# Altium PCB HV_DAC_8ch-DIOT.PCBDOC (part 8 of 11)
Units mm, origin at the board's own origin, x right, y up, seen from the top; angles counter-clockwise.
Board outline 222.63 x 100.1 mm, 8 copper layers (L1, L2, L3, P4, L5, L6, P7, L8), stack 1.563 mm thick; 971 components, 607 nets, 3066 pads, 1424 vias.
Unrouted connection lines stored in the file: 1.
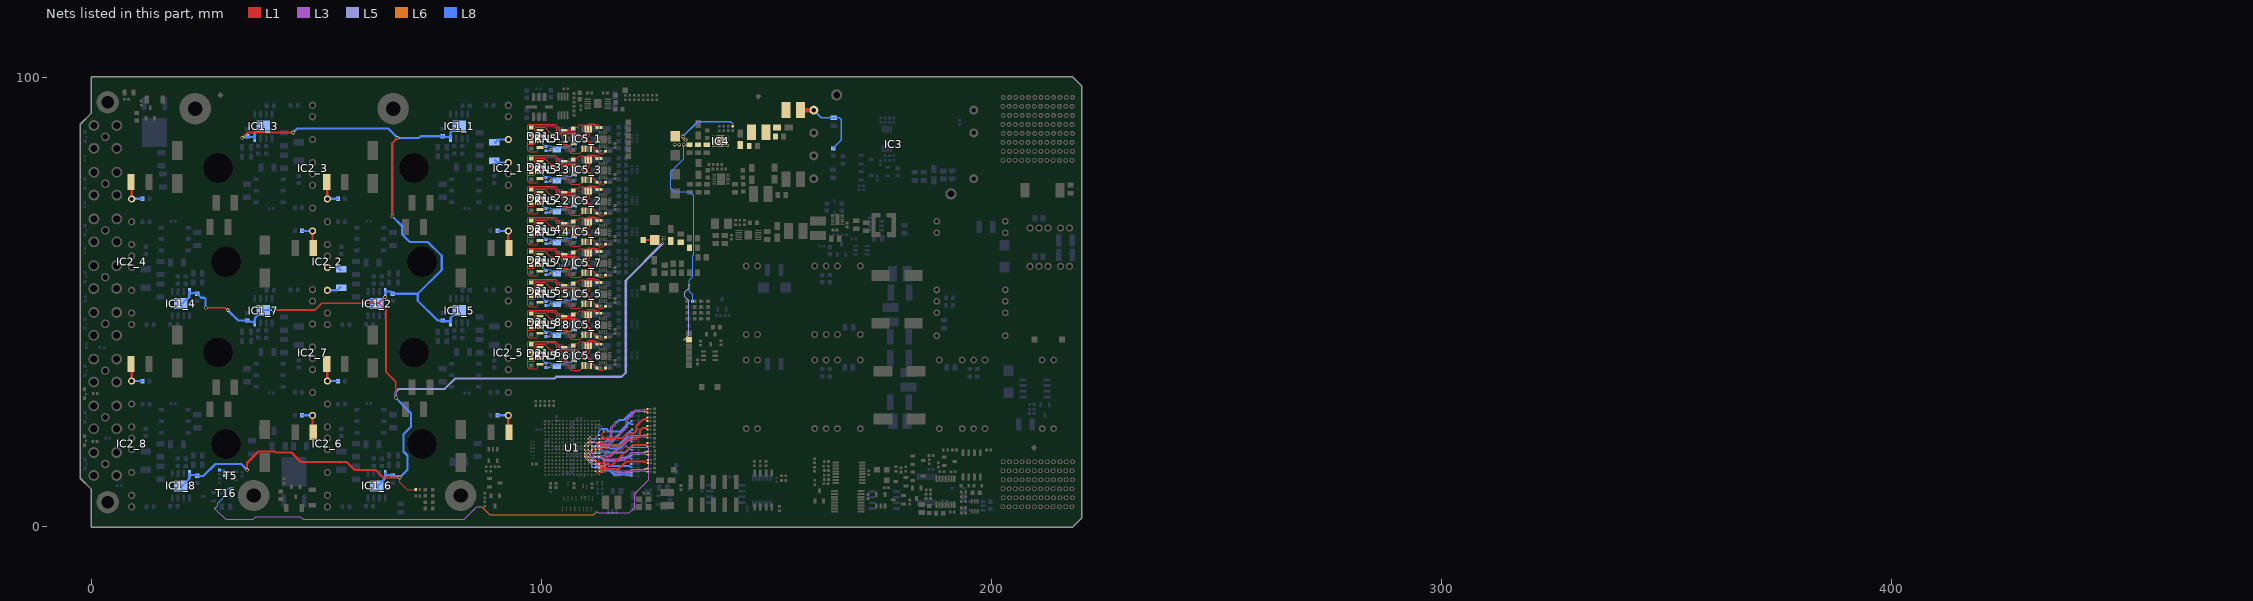
[diagram p14: the nets of this part, all layers, seen from the top]

## Via types
v1: diameter 0.4, hole 0.2, L1 to L8, tented both sides, 1016 vias
v2: diameter 0.8, hole 0.5, L1 to L8, tented both sides, 203 vias
v3: diameter 0.5, hole 0.2, L1 to L8, tented both sides, 117 vias
v4: diameter 0.7, hole 0.4, L1 to L8, tented both sides, 43 vias
v5: diameter 0.4, hole 0.2, L1 to L8, 32 vias
v6: diameter 0.5, hole 0.25, L1 to L8, 6 vias
v7: diameter 0.7, hole 0.4, L1 to L8, 5 vias
v8: diameter 1.2, hole 0.8, L1 to L8, tented both sides, 2 vias

## Nets (pads, with @x,y where several pads share a name; then routed paths per layer and width w, separated by ;. In a path a pad name is that pad's centre, name@x,y a point inside that pad or via, vN(x,y) a via of type N, cw(c..) or ccw(c..) an arc to the next point about the centre after c; other vN are vias at no path point) (continued)
LED_PGOOD: R55.1 T5.3 | length 2.4
  L8 w0.1: R55.1@28.4,12.67 29.33,12.67 29.75,12.25 T5.3@29.75,11.4
LED_RED: T16.1 U1.F1 | length 130.8
  L1 w0.127: U1.F1@112.8,15.6 113.235,15.6 113.452,15.383 114.771,15.383 115.846,16.458 117.164,16.458 v1(118.708,18.002)
  L3 w0.1: v1(27.4,4.1) 29.8,1.7 35.9,1.7 36.5,2.3 46.4,2.3 47,1.7 82.841,1.7 85.641,4.5 v1(86.3,4.5) ; v1(112.2,3.3) 112.214,3.286 112.481,3.286 112.644,3.123 119.523,3.123 120.7,4.3 120.7,7.4 123.8,10.5 123.8,17.5 123.6,17.7 119.01,17.7 v1(118.708,18.002)
  L6 w0.127: v1(86.3,4.5) 86.7,4.5 88.5,2.7 111.6,2.7 v1(112.2,3.3)
  L8 w0.1: v1(27.4,4.1) 28,4.7 28,5.3 29.9,7.2 29.9,8.2 30.15,8.45 T16.1@31.05,8.45
LVDS_0_N: R206.1 U1.J5 | length 15.1
  L1 w0.1: U1.J5@109.604,18.021 109.88,18.297 v1(109.88,18.313)
  L3 w0.1: v1(109.88,18.313) 110.377,18.81 112.536,18.81 112.797,19.071 113.522,19.071 113.742,18.851 113.742,18.743 113.801,18.685 113.884,18.685 115.41,20.211 115.41,22.172 116.243,23.005 116.243,23.143 v1(116.3,23.2)
  L8 w0.1: v1(116.3,23.2) 116.341,23.241 116.554,23.241 117.189,23.877 117.283,23.971 118.283,23.971 119.508,25.196 119.777,25.196 119.835,25.255 119.835,25.291 119.995,25.451 R206.1@120.015,25.451
LVDS_0_P: R207.1 U1.G1 | length 17.4
  L1 w0.1: U1.G1@112.8,16.4 112.805,16.395 113.513,16.395 v1(113.517,16.39)
  L3 w0.1: v1(113.517,16.39) 111.498,16.39 111.217,16.671 111.217,17.721 111.534,18.038 112.607,18.038 112.883,18.314 113.983,18.314 115.742,20.073 115.742,22.035 116.478,22.77 116.615,22.77 v1(116.673,22.827)
  L8 w0.1: v1(116.673,22.827) 116.714,22.869 116.714,23.081 117.283,23.65 117.377,23.744 118.377,23.744 119.602,24.969 119.777,24.969 119.835,24.911 119.835,24.874 119.995,24.714 R207.1@120.015,24.714
LVDS_1_N: R176.1 U1.K4 | length 12.4
  L1 w0.1: U1.K4@110.4,18.821 110.421,18.821 110.752,19.152 v1@110.752,19.173
  L8 w0.1: v1(110.8,19.2) 111.223,19.623 111.767,19.623 112.669,20.525 112.669,21.18 113.389,21.9 114.506,21.9 114.994,21.412 117.491,21.412 119.384,23.305 119.789,23.305 119.848,23.364 119.848,23.411 120.008,23.571 R176.1@120.028,23.571
LVDS_1_P: R178.1 U1.M1 | length 9.6
  L1 w0.1: U1.M1@112.8,20.4 113.145,20.4 v1(113.881,21.136)
  L8 w0.1: v1(113.881,21.136) 113.881,21.216 113.673,21.423 113.673,21.429 113.571,21.531 113.571,21.614 113.63,21.673 114.412,21.673 114.9,21.185 117.585,21.185 119.478,23.078 119.814,23.078 119.873,23.02 119.873,22.995 120.033,22.835 R178.1@120.053,22.835
LVDS_2_N: R180.1 U1.K1 | length 11.1
  L1 w0.1: U1.K1@112.8,18.8 113.179,18.8 113.284,18.694 v1(113.365,18.694)
  L8 w0.1: v1(113.365,18.694) 112.55,18.694 112.491,18.636 112.491,18.553 112.7,18.344 114.011,18.344 114.094,18.427 115.597,18.427 115.73,18.295 117.109,18.295 118.985,20.17 118.985,20.828 119.567,21.41 119.827,21.41 119.886,21.468 119.886,21.481 120.046,21.641 R180.1@120.066,21.641
LVDS_2_P: R182.1 U1.K3 | length 11.4
  L1 w0.1: U1.K3@111.242,18.821 111.242,18.842 111.573,19.173 v1@111.594,19.173
  L8 w0.1: v1(111.6,19.2) 111.911,18.889 112.011,18.889 112.264,18.636 112.264,18.459 112.606,18.117 114.105,18.117 114.188,18.2 115.503,18.2 115.636,18.068 117.203,18.068 119.212,20.076 119.212,20.734 119.661,21.183 119.802,21.183 119.861,21.124 119.861,21.09 120.021,20.93 R182.1@120.041,20.93
LVDS_3_N: R184.1 U1.J4 | length 11.1
  L1 w0.1: U1.J4@110.4,18.021 110.421,18.021 110.752,18.352 v1@110.752,18.373
  L8 w0.1: v1(110.8,18.4) 111.222,17.978 112.425,17.978 112.537,17.865 114.237,17.865 114.314,17.942 114.938,17.942 115.296,17.584 117.38,17.584 119.347,19.551 119.814,19.551 119.873,19.61 119.873,19.678 120.033,19.838 R184.1@120.053,19.838
LVDS_3_P: R186.1 U1.H2 | length 10.3
  L1 w0.1: U1.H2@112,17.2 112.39,17.591 114.332,17.591 v1(114.646,17.277)
  L8 w0.1: v1(114.646,17.277) 114.349,17.574 114.349,17.656 114.408,17.715 114.844,17.715 115.202,17.357 117.474,17.357 119.441,19.324 119.802,19.324 119.861,19.266 119.861,19.185 120.021,19.025 R186.1@120.041,19.025
LVDS_4_N: R216.1 U1.H4 | length 10.6
  L1 w0.1: U1.H4@110.421,17.2 110.421,17.179 110.752,16.848 v1@110.773,16.848
  L8 w0.1: v1(110.8,16.8) 111.15,16.45 113.044,16.45 113.361,16.767 113.454,16.767 113.586,16.9 114.772,16.9 114.909,16.763 118.614,16.763 119.504,17.652 119.814,17.652 119.873,17.711 119.873,17.747 120.033,17.907 R216.1@120.053,17.907
LVDS_4_P: R217.1 U1.G2 | length 9.1
  L1 w0.1: U1.G2@112,16.4 112.39,16.791 114.065,16.791 v1(114.422,16.434)
  L8 w0.1: v1(114.422,16.434) 114.422,16.499 114.595,16.673 114.678,16.673 114.815,16.536 118.708,16.536 119.598,17.425 119.814,17.425 119.873,17.367 119.873,17.33 120.033,17.17 R217.1@120.053,17.17
LVDS_5_N: R190.1 U1.G4 | length 10.8
  L1 w0.1: U1.G4@110.421,16.4 110.421,16.379 110.752,16.048 v1@110.773,16.048
  L8 w0.1: v1(110.8,16) 111.361,15.439 111.444,15.439 111.731,15.726 113.128,15.726 113.458,15.396 113.483,15.396 113.903,14.977 117.307,14.977 117.992,15.662 119.293,15.662 119.309,15.646 119.726,15.646 119.784,15.704 119.784,15.74 119.944,15.9 R190.1@119.964,15.9
LVDS_5_P: R191.1 U1.E3 | length 10.6
  L1 w0.1: U1.E3@111.221,14.8 111.221,14.779 111.552,14.448 v1@111.573,14.448
  L8 w0.1: v1(111.6,14.4) 111.6,15.274 111.825,15.499 113.034,15.499 113.364,15.169 113.389,15.169 113.808,14.75 117.401,14.75 118.086,15.435 119.199,15.435 119.215,15.419 119.726,15.419 119.784,15.36 119.784,15.324 119.944,15.164 R191.1@119.964,15.164
LVDS_6_N: R192.1 U1.F4 | length 10.8
  L1 w0.1: U1.F4@110.421,15.6 110.421,15.579 110.752,15.248 v1@110.773,15.248
  L8 w0.1: v1(110.8,15.2) 111.166,14.834 111.166,14.3 111.475,13.991 112.751,13.991 113.093,13.648 114.087,13.648 114.227,13.788 114.832,13.788 114.866,13.754 119.7,13.754 119.759,13.813 119.759,13.859 119.919,14.019 R192.1@119.939,14.019
LVDS_6_P: R193.1 U1.D2 | length 8.4
  L1 w0.1: U1.D2@112,14 112.423,13.577 113.362,13.577 113.528,13.411 v1(114.605,13.411)
  L8 w0.1: v1(114.605,13.411) 114.686,13.411 114.802,13.527 119.726,13.527 119.784,13.468 119.784,13.444 119.944,13.284 R193.1@119.964,13.284
LVDS_7_N: R194.1 U1.E4 | length 11.6
  L1 w0.1: U1.E4@110.4,14.8 110.4,14.786 110.769,14.416 v1(110.769,14.402)
  L8 w0.1: v1(110.769,14.402) 110.769,14.376 111.146,13.999 111.146,13.492 111.401,13.237 111.748,13.237 111.948,13.437 111.948,13.473 112.14,13.664 112.757,13.664 113.426,12.995 114.925,12.995 116.071,11.848 119.726,11.848 119.784,11.907 119.784,11.93 119.944,12.09 R194.1@119.964,12.09
LVDS_7_P: R195.1 U1.B2 | length 12.1
  L1 w0.1: U1.B2@112,12.4 112.39,12.01 113.129,12.01 113.324,12.204 v1@113.46,12.204
  L8 w0.1: v1(113.411,12.217) 112.843,12.785 112.686,12.785 112.175,13.296 112.175,13.379 112.234,13.437 112.662,13.437 113.332,12.768 114.831,12.768 115.977,11.621 119.726,11.621 119.784,11.563 119.784,11.539 119.944,11.379 R195.1@119.964,11.379
LVDS_8_N: R188.1 U1.J3 | length 16.9
  L1 w0.1: 111.358,17.855 v1@111.571,17.642 ; v1(122.959,26.116) 123.018,26.116 123.18,25.953 123.362,25.953 123.42,26.012 123.42,26.035 R188.1@123.58,26.195
  L3 w0.1: v1(111.63,17.601) 112.548,17.601 112.648,17.701 112.648,17.758 112.941,18.051 114.418,18.051 118.8,22.433 118.8,23.97 120.848,26.018 122.78,26.018 122.878,26.116 v1(122.959,26.116)
LVDS_8_P: R189.1 U1.H1 | length 16.2
  L1 w0.1: U1.H1@112.8,17.2 v1(113.318,17.2) ; v1(122.959,25.589) 123.03,25.589 123.168,25.726 123.362,25.726 123.42,25.667 123.42,25.644 123.58,25.484 R189.1@123.6,25.484
  L3 w0.1: v1(113.318,17.2) 112.981,17.538 112.981,17.621 113.079,17.719 114.555,17.719 119.132,22.296 119.132,23.832 120.986,25.686 122.78,25.686 122.878,25.589 v1(122.959,25.589)
LVDS_9_N: R196.1 U1.L4 | length 17
  L1 w0.1: U1.L4@110.4,19.6 v1(110.8,20) ; v1(113.651,20.098) 113.401,19.848 113.401,19.765 113.46,19.707 114.009,19.707 114.217,19.914 118.014,19.914 119.027,20.927 120.527,20.927 121.1,21.5 121.1,22.6 122.572,24.072 123.362,24.072 123.42,24.13 123.42,24.156 123.58,24.316 R196.1@123.6,24.316
  L3 w0.1: v1(110.8,20) 111.191,19.61 113.162,19.61 v1(113.651,20.098)
LVDS_9_P: R197.1 U1.L1 | length 13.5
  L1 w0.1: U1.L1@112.8,19.6 112.857,19.657 113.188,19.657 113.366,19.48 114.103,19.48 114.311,19.687 118.108,19.687 119.121,20.7 120.621,20.7 121.327,21.406 121.327,22.506 122.666,23.845 123.336,23.845 123.395,23.786 123.395,23.739 123.555,23.579 R197.1@123.575,23.579
LVDS_10_N: R198.1 U1.J2 | length 14.2
  L1 w0.1: U1.J2@112,18 112.057,18.057 112.324,18.057 112.644,18.377 113.15,18.377 113.273,18.253 117.75,18.253 119.097,19.6 121,19.6 121.8,20.4 121.8,21.523 122.462,22.185 123.362,22.185 123.42,22.243 123.42,22.278 123.58,22.438 R198.1@123.6,22.438
LVDS_10_P: R199.1 U1.J1 | length 13.3
  L1 w0.1: U1.J1@112.8,18 112.881,18 112.995,18.114 113.091,18.114 113.179,18.026 117.844,18.026 119.191,19.373 121.094,19.373 122.027,20.306 122.027,21.429 122.556,21.958 123.336,21.958 123.395,21.899 123.395,21.842 123.555,21.682 R199.1@123.575,21.682
LVDS_11_N: R200.1 U1.H3 | length 14.9
  L1 w0.1: U1.H3@111.2,17.2 111.211,17.2 111.552,16.859 v1@111.552,16.848 ; v1(122.959,20.479) 123.018,20.479 123.168,20.329 123.362,20.329 123.42,20.388 123.42,20.424 123.58,20.584 R200.1@123.6,20.584
  L3 w0.1: v1(111.594,16.827) 111.599,16.823 113.618,16.823 113.894,16.547 113.894,16.397 114.012,16.279 114.043,16.279 114.278,16.044 115.354,16.044 119.691,20.382 122.78,20.382 122.878,20.479 v1(122.959,20.479)
LVDS_11_P: R203.1 U1.F2 | length 14
  L1 w0.1: U1.F2@112,15.6 112.39,15.991 113.323,15.991 113.54,15.773 v1(113.614,15.773) ; v1(122.959,19.952) 123.018,19.952 123.168,20.102 123.362,20.102 123.42,20.044 123.42,20.007 123.58,19.847 R203.1@123.6,19.847
  L3 w0.1: v1(113.614,15.773) 113.649,15.773 113.823,15.947 113.906,15.947 114.141,15.712 115.491,15.712 119.829,20.05 122.78,20.05 122.878,19.952 v1(122.959,19.952)
LVDS_12_N: R208.1 U1.H5 | length 19.1
  L1 w0.1: U1.H5@109.621,17.2 109.621,17.179 109.952,16.848 v1@109.973,16.848 ; v1(114.98,14.163) 114.991,14.152 114.991,13.879 115.057,13.813 115.62,13.813 120.232,18.425 123.319,18.425 123.378,18.484 123.378,18.52 123.538,18.68 R208.1@123.558,18.68
  L3 w0.1: v1(110,16.8) 109.61,16.409 109.61,15.838 109.857,15.591 110.943,15.591 112.898,13.635 114.083,13.635 114.59,14.142 114.959,14.142 v1(114.98,14.163)
LVDS_12_P: R209.1 U1.E2 | length 14.2
  L1 w0.1: U1.E2@112,14.8 112.423,14.377 113.027,14.377 113.074,14.33 113.602,14.33 113.675,14.402 114.203,14.402 114.508,14.097 114.508,14.041 114.963,13.586 115.714,13.586 120.326,18.198 123.319,18.198 123.378,18.139 123.378,18.103 123.538,17.943 R209.1@123.558,17.943
LVDS_13_N: R210.1 U1.G5 | length 15.5
  L1 w0.1: U1.G5@109.621,16.4 109.621,16.379 109.952,16.048 v1@109.973,16.048 ; v1(123.017,16.692) 123.465,16.692 R210.1@123.582,16.81
  L3 w0.1: v1(110,16) 110.377,16.377 111.19,16.377 112.227,15.34 113.5,15.34 113.556,15.396 113.914,15.396 114.194,15.117 118.413,15.117 119.891,16.595 122.838,16.595 122.936,16.692 v1(123.017,16.692)
LVDS_13_P: R211.1 U1.D1 | length 13
  L1 w0.1: U1.D1@112.8,14 112.813,14.013 113.909,14.013 v1(113.921,14.025) ; v1(123.017,16.165) 123.49,16.165 R211.1@123.607,16.048
  L3 w0.1: v1(113.921,14.025) 113.921,14.637 113.635,14.923 113.635,15.006 113.694,15.064 113.777,15.064 114.056,14.785 118.551,14.785 120.029,16.262 122.838,16.262 122.936,16.165 v1(123.017,16.165)
LVDS_14_N: R212.1 U1.C1 | length 11.7
  L1 w0.1: U1.C1@112.8,13.2 112.881,13.2 113.006,13.075 114.407,13.075 114.449,13.034 117.174,13.034 118.17,14.03 118.815,14.675 122.961,14.675 122.967,14.67 123.394,14.67 123.453,14.729 123.453,14.77 123.613,14.93 R212.1@123.633,14.93
LVDS_14_P: R213.1 U1.C2 | length 12.6
  L1 w0.1: U1.C2@112,13.2 112.057,13.143 112.324,13.143 112.644,12.823 113.124,12.823 113.15,12.848 114.313,12.848 114.355,12.807 117.268,12.807 118.264,13.803 118.909,14.448 122.867,14.448 122.873,14.443 123.42,14.443 123.478,14.384 123.478,14.353 123.638,14.193 R213.1@123.658,14.193
LVDS_15_N: R214.1 U1.F5 | length 15.4
  L1 w0.1: U1.F5@109.621,15.6 109.621,15.579 v1@109.952,15.248 ; v1(123.01,12.902) 123.42,12.902 123.423,12.899 R214.1@123.423,12.85
  L3 w0.1: v1(110,15.2) 110.377,14.823 110.881,14.823 111.178,14.526 111.178,14.288 111.475,13.991 112.017,13.991 112.656,13.352 113.397,13.352 113.453,13.408 114.075,13.408 114.638,12.845 116.591,12.845 116.922,12.514 119.694,12.514 119.986,12.805 122.832,12.805 122.929,12.902 v1(123.01,12.902)
LVDS_15_P: R215.1 U1.B1 | length 13.1
  L1 w0.1: U1.B1@112.8,12.4 112.852,12.452 113.113,12.452 113.268,12.608 113.833,12.608 114.097,12.344 v1(114.122,12.344) ; v1(123.01,12.375) 123.45,12.375 R215.1@123.555,12.271
  L3 w0.1: v1(114.122,12.344) 113.532,12.934 113.532,13.017 113.591,13.076 113.937,13.076 114.5,12.512 116.454,12.512 116.785,12.181 119.832,12.181 120.123,12.473 122.832,12.473 122.929,12.375 v1(123.01,12.375)
N12V0_CH_1: C92_1.2 C97_1.2 D21_1.1 IC5_1.4 L18_1.2 | length 16.2
  L1 w0.254: v3(108.99,86.271) 109.057,86.271 109.239,86.089 109.25,86.089 109.42,85.919 109.905,85.919 110.936,84.888 110.936,84.177 IC5_1.4@111.034,84.079
  L8 w0.203: C92_1.2@107.503,85.179 107.446,85.235 107.446,85.535 107.325,85.656 107.325,86.829 107.511,87.015 108.139,87.015 108.152,87.028 108.637,87.028 108.933,86.731 108.933,86.328 v3(108.99,86.271)
  L8 w0.254: D21_1.1@99.668,85.737 99.735,85.671 99.88,85.671 100.979,84.572 L18_1.2@100.989,84.572 ; L18_1.2@101.065,84.747 101.97,84.747 102.311,84.407 103.098,84.407 C97_1.2@103.596,83.909 ; C97_1.2@104.037,84.29 104.037,84.366 104.653,84.981 105.45,84.981 105.629,84.802 106.338,84.802 106.367,84.831 106.666,84.831 106.898,85.063 C92_1.2@107.619,85.063
N12V0_CH_2: C92_2.2 C97_2.2 D21_2.1 IC5_2.4 L18_2.2 | length 16.2
  L1 w0.254: v3(108.99,72.498) 109.057,72.498 109.239,72.316 109.25,72.316 109.42,72.146 109.905,72.146 110.936,71.115 110.936,70.404 IC5_2.4@111.034,70.306
  L8 w0.203: C92_2.2@107.503,71.405 107.446,71.462 107.446,71.762 107.325,71.883 107.325,73.056 107.511,73.241 108.139,73.241 108.152,73.254 108.637,73.254 108.933,72.958 108.933,72.554 v3(108.99,72.498)
  L8 w0.254: D21_2.1@99.668,71.964 99.735,71.898 99.88,71.898 100.979,70.799 L18_2.2@100.989,70.799 ; L18_2.2@101.065,70.974 101.97,70.974 102.311,70.633 103.098,70.633 C97_2.2@103.596,70.135 ; C97_2.2@104.037,70.516 104.037,70.593 104.653,71.208 105.45,71.208 105.629,71.029 106.338,71.029 106.367,71.058 106.666,71.058 106.898,71.289 107.503,71.289 C92_2.2@107.619,71.289
N12V0_CH_3: C92_3.2 C97_3.2 D21_3.1 IC5_3.4 L18_3.2 | length 16.2
  L1 w0.254: v3(108.99,79.384) 109.057,79.384 109.239,79.202 109.25,79.202 109.42,79.033 109.905,79.033 110.936,78.001 110.936,77.29 IC5_3.4@111.034,77.192
  L8 w0.203: C92_3.2@107.503,78.292 107.446,78.348 107.446,78.648 107.325,78.77 107.325,79.942 107.511,80.128 108.139,80.128 108.152,80.141 108.637,80.141 108.933,79.845 108.933,79.441 v3(108.99,79.384)
  L8 w0.254: D21_3.1@99.668,78.851 99.735,78.784 99.88,78.784 100.979,77.685 L18_3.2@100.989,77.685 ; L18_3.2@101.065,77.86 101.97,77.86 102.311,77.52 103.098,77.52 C97_3.2@103.596,77.022 ; C97_3.2@104.037,77.403 104.037,77.479 104.653,78.095 105.45,78.095 105.629,77.916 106.338,77.916 106.367,77.945 106.666,77.945 106.898,78.176 C92_3.2@107.619,78.176
N12V0_CH_4: C92_4.2 C97_4.2 D21_4.1 IC5_4.4 L18_4.2 | length 16.2
  L1 w0.254: v3(108.99,65.611) 109.057,65.611 109.239,65.429 109.25,65.429 109.42,65.259 109.905,65.259 110.936,64.228 110.936,63.517 IC5_4.4@111.034,63.419
  L8 w0.203: C92_4.2@107.503,64.519 107.446,64.575 107.446,64.875 107.325,64.996 107.325,66.169 107.511,66.355 108.139,66.355 108.152,66.368 108.637,66.368 108.933,66.072 108.933,65.668 v3(108.99,65.611)
  L8 w0.254: D21_4.1@99.668,65.078 99.735,65.011 99.88,65.011 100.979,63.912 L18_4.2@100.989,63.912 ; L18_4.2@101.065,64.087 101.97,64.087 102.311,63.747 103.098,63.747 C97_4.2@103.596,63.249 ; C97_4.2@104.037,63.63 104.037,63.706 104.653,64.321 105.45,64.321 105.629,64.142 106.338,64.142 106.367,64.171 106.666,64.171 106.898,64.403 C92_4.2@107.619,64.403
N12V0_CH_5: C92_5.2 C97_5.2 D21_5.1 IC5_5.4 L18_5.2 | length 16.2
  L1 w0.254: v3(108.99,51.838) 109.057,51.838 109.239,51.656 109.25,51.656 109.42,51.486 109.905,51.486 110.936,50.455 110.936,49.744 IC5_5.4@111.034,49.646
  L8 w0.203: C92_5.2@107.503,50.746 107.446,50.802 107.446,51.102 107.325,51.223 107.325,52.396 107.511,52.582 108.139,52.582 108.152,52.595 108.637,52.595 108.933,52.298 108.933,51.895 v3(108.99,51.838)
  L8 w0.254: D21_5.1@99.668,51.304 99.735,51.238 99.88,51.238 100.979,50.139 L18_5.2@100.989,50.139 ; L18_5.2@101.065,50.314 101.97,50.314 102.311,49.974 103.098,49.974 C97_5.2@103.596,49.476 ; C97_5.2@104.037,49.857 104.037,49.933 104.653,50.548 105.45,50.548 105.629,50.369 106.338,50.369 106.367,50.398 106.666,50.398 106.898,50.63 C92_5.2@107.619,50.63
N12V0_CH_6: C92_6.2 C97_6.2 D21_6.1 IC5_6.4 L18_6.2 | length 16.2
  L1 w0.254: v3(108.99,38.065) 109.057,38.065 109.239,37.883 109.25,37.883 109.42,37.713 109.905,37.713 110.936,36.682 110.936,35.971 IC5_6.4@111.034,35.873
  L8 w0.203: C92_6.2@107.503,36.972 107.446,37.029 107.446,37.329 107.325,37.45 107.325,38.623 107.511,38.809 108.139,38.809 108.152,38.821 108.637,38.821 108.933,38.525 108.933,38.121 v3(108.99,38.065)
  L8 w0.254: D21_6.1@99.668,37.531 99.735,37.465 99.88,37.465 100.979,36.366 L18_6.2@100.989,36.366 ; L18_6.2@101.065,36.541 101.97,36.541 102.311,36.2 103.098,36.2 C97_6.2@103.596,35.702 ; C97_6.2@104.037,36.083 104.037,36.16 104.653,36.775 105.45,36.775 105.629,36.596 106.338,36.596 106.367,36.625 106.666,36.625 106.898,36.856 C92_6.2@107.619,36.856
N12V0_CH_7: C92_7.2 C97_7.2 D21_7.1 IC5_7.4 L18_7.2 | length 16.2
  L1 w0.254: v3(108.99,58.724) 109.057,58.724 109.239,58.543 109.25,58.543 109.42,58.373 109.905,58.373 110.936,57.341 110.936,56.631 IC5_7.4@111.034,56.533
  L8 w0.203: C92_7.2@107.503,57.632 107.446,57.688 107.446,57.988 107.325,58.11 107.325,59.283 107.511,59.468 108.139,59.468 108.152,59.481 108.637,59.481 108.933,59.185 108.933,58.781 v3(108.99,58.724)
  L8 w0.254: D21_7.1@99.668,58.191 99.735,58.125 99.88,58.125 100.979,57.025 L18_7.2@100.989,57.025 ; L18_7.2@101.065,57.2 101.97,57.2 102.311,56.86 103.098,56.86 C97_7.2@103.596,56.362 ; C97_7.2@104.037,56.743 104.037,56.819 104.653,57.435 105.45,57.435 105.629,57.256 106.338,57.256 106.367,57.285 106.666,57.285 106.898,57.516 C92_7.2@107.619,57.516
N12V0_CH_8: C92_8.2 C97_8.2 D21_8.1 IC5_8.4 L18_8.2 | length 16.2
  L1 w0.254: v3(108.99,44.951) 109.057,44.951 109.239,44.769 109.25,44.769 109.42,44.6 109.905,44.6 110.936,43.568 110.936,42.857 IC5_8.4@111.034,42.759
  L8 w0.203: C92_8.2@107.503,43.859 107.446,43.915 107.446,44.215 107.325,44.337 107.325,45.509 107.511,45.695 108.139,45.695 108.152,45.708 108.637,45.708 108.933,45.412 108.933,45.008 v3(108.99,44.951)
  L8 w0.254: D21_8.1@99.668,44.418 99.735,44.352 99.88,44.352 100.979,43.252 L18_8.2@100.989,43.252 ; L18_8.2@101.065,43.427 101.97,43.427 102.311,43.087 103.098,43.087 C97_8.2@103.596,42.589 ; C97_8.2@104.037,42.97 104.037,43.046 104.653,43.662 105.45,43.662 105.629,43.483 106.338,43.483 106.367,43.512 106.666,43.512 106.898,43.743 C92_8.2@107.619,43.743
N12V0A: C30.2 C61.2 C62.2 D9.2 IC4.10 IC4.11 IC4.12 L18_1.1 L18_2.1 L18_3.1 L18_4.1 L18_5.1 L18_6.1 L18_7.1 L18_8.1 R18.1 R61.2 TP9.1 | length 76.3
  L1 w0.1: v1(131.7,41.6) TP9.1@132.8,41.6
  L1 w0.2: R18.1@142.5,89.07 v1(142.5,89.62)
  L5 w0.254: v1(131.7,41.6) 132.7,42.6 132.7,50.3 131.8,51.2 131.8,52.2 132.8,53.2 v1(132.8,53.8)
  L8 w0.254: v2(131.6,85) 131.6,81.9 128.7,79 128.7,75.3 129.5,74.5 132.9,74.5 133.8,73.6 133.8,60.5 133.57,60.27 133.57,55.67 132.8,54.9 v1(132.8,53.8) 132.8,52.4 133.57,51.63 R61.2@133.57,50.2
  L8 w0.381: L18_6.1@101.133,35.387 101.201,35.456 101.723,35.456 101.919,35.652 v4(102.005,35.652) ; L18_8.1@101.133,42.274 101.201,42.342 101.723,42.342 101.919,42.538 v4(102.005,42.538) ; L18_5.1@101.133,49.16 101.201,49.229 101.723,49.229 101.919,49.425 v4(102.005,49.425) ; L18_7.1@101.133,56.047 101.201,56.116 101.723,56.116 101.919,56.311 v4(102.005,56.311) ; L18_4.1@101.133,62.933 101.201,63.002 101.723,63.002 101.919,63.198 v4(102.005,63.198) ; L18_2.1@101.133,69.82 101.201,69.889 101.723,69.889 101.919,70.085 v4(102.005,70.085) ; L18_3.1@101.133,76.707 101.201,76.775 101.723,76.775 101.919,76.971 v4(102.005,76.971) ; L18_1.1@101.201,83.662 101.723,83.662 101.919,83.858 v4(102.005,83.858) ; v2(131.4,86.8) 134.7,90.1 142.02,90.1 v1(142.5,89.62)
  other v2: 129.6,85 130.6,85 132,86.1
N13V0: C19.2 C44.2 IC4.1 IC4.2 IC4.13 L13.2
  other v1: 139.2,84.8 139.8,84.8 140.4,84.8 139.2,85.8 139.8,85.8 140.4,85.8 139.2,86.8 139.8,86.8 140.4,86.8
N13V0_FLT: C18.2 C42.2 L12.2 L13.1
N13V0S: C40.2 IC3.4 L12.1 R19.1 | length 17.1
  L1 w1: L12.1@157.6,92.7 157.628,92.672 IC3.4@160.528,92.672
  L8 w0.381: IC3.4@160.528,92.672 162.21,90.99 C40.2@164.98,90.99 166.232,90.99 166.642,90.58 166.642,86.019 165.121,84.498 165.121,84.448 164.861,84.188 R19.1@164.811,84.188
N24VA: C7_1.1 C7_2.1 C7_3.1 C7_4.1 C7_5.1 C7_6.1 C7_7.1 C7_8.1 C120.2 C124.2 D10.2 IC1_1.4 IC1_1.9 IC1_2.4 IC1_2.9 IC1_3.4 IC1_3.9 IC1_4.4 IC1_4.9 IC1_5.4 IC1_5.9 IC1_6.4 IC1_6.9 IC1_7.4 IC1_7.9 IC1_8.4 IC1_8.9 L14.2 R125.2 TP13.1 | length 395
  L1 w0.2: v2(68.5,11) 68.5,9.9 70.1,8.3 71.355,8.3 R125.2@72.03,8.3
  L1 w0.4: v2(25.349,48.734) 29.603,48.734 30.101,48.236 v2(30.209,48.236) ; v2(33.424,86.496) 34.614,87.686 v2(44.804,87.686) ; v2(40.383,48.208) 49.584,48.208 51.132,49.756 63.875,49.756 ; v2(65.251,51.132) 63.875,49.756 ; 66.746,75.882 66.746,76.162 66.746,85.246 ; v2(67.577,28.721) 67.577,32.253 65.443,34.388 65.443,48.188 63.875,49.756 ; TP13.1@122.6,63.8 D10.2@125.2,63.8
  L1 w0.5: v2(34.535,12.684) 34.535,14.239 37.098,16.802 40.672,16.802 40.909,16.565 44.412,16.565 46.546,14.431 56.674,14.431 58.459,12.646 63.147,12.646 64.793,11 v2(68.5,11) ; v2(66.818,69.088) 66.818,85.318 v2(68,86.5)
  L5 w0.5: v2(67.577,28.721) 67.577,29.977 68.3,30.7 78.5,30.7 80.8,33 102.9,33 103.3,33.4 117.8,33.4 118.7,34.3 118.7,54.8 v1(126.9,63)
  L8 w0.4: v2(34.535,12.684) v2@34.561,12.684 ; IC1_2.9@63.335,49.66 63.61,49.66 65.005,51.055 65.174,51.055 v2(65.251,51.132)
  L8 w0.5: IC1_8.9@19.835,9.16 20.11,9.16 21.55,10.6 21.561,10.6 21.69,10.728 21.69,11.81 IC1_8.4@21.74,11.86 21.74,11.585 21.79,11.535 23.29,11.535 C7_8.1@23.465,11.36 24.86,11.36 27.5,14 33.219,14 v2(34.535,12.684) ; IC1_4.9@19.835,49.66 20.11,49.66 21.236,50.786 21.383,50.786 21.69,51.092 21.69,52.31 IC1_4.4@21.74,52.36 21.74,52.085 21.79,52.035 23.315,52.035 24.367,50.983 25.033,50.983 25.326,50.69 25.326,48.757 v2(25.349,48.734) ; v2(30.209,48.236) 32.559,45.886 C7_7.1@34.535,45.886 34.74,45.68 35.365,45.68 35.503,45.543 36.21,45.543 36.26,45.493 IC1_7.4@36.26,45.386 36.31,45.436 36.31,46.452 36.915,47.057 36.915,47.111 37.89,48.086 IC1_7.9@38.165,48.086 ; v2@33.693,86.711 34.36,86.711 C7_3.1@34.535,86.886 34.71,86.711 36.21,86.711 IC1_3.4@36.26,86.661 ; IC1_3.4@36.26,86.386 IC1_3.4@36.26,86.661 ; IC1_7.9@38.165,48.208 v2(40.383,48.208) ; IC1_3.9@38.165,89.086 37.89,89.086 36.44,87.636 36.26,87.636 IC1_3.4@36.26,86.661 ; v2(44.804,87.686) 45.704,88.586 65.904,88.586 67.99,86.5 v2(68,86.5) 72.752,86.5 73.138,86.886 C7_1.1@78.035,86.886 78.21,86.711 79.71,86.711 IC1_1.4@79.76,86.661 ; IC1_6.9@63.335,9.16 63.61,9.16 64.934,10.484 64.934,10.527 65.19,10.783 65.19,11.81 IC1_6.4@65.24,11.86 65.24,11.585 65.29,11.535 66.79,11.535 C7_6.1@66.965,11.36 68.069,11.36 68.429,11 v2(68.5,11) 70.2,12.7 70.2,15.9 69.32,16.78 69.32,20.62 71,22.3 71,25.298 69.32,26.977 69.174,27.124 v2(67.577,28.721) ; v2(65.251,51.132) 65.245,51.137 65.245,52.354 IC1_2.4@65.24,52.36 66.44,52.36 66.94,51.86 C7_2.1@66.965,51.86 72.504,51.86 ; v2(66.818,69.088) 69,66.906 69,65.1 70.728,63.372 74.728,63.372 77.791,60.309 77.791,57.146 72.504,51.86 ; IC1_1.4@79.76,86.386 IC1_1.4@79.76,86.661 ; IC1_5.9@81.665,48.086 81.39,48.086 79.81,46.506 79.81,45.436 IC1_5.4@79.76,45.386 79.76,45.661 79.71,45.711 78.21,45.711 C7_5.1@78.035,45.886 76.915,45.886 72.5,50.301 72.504,50.305 72.504,51.86 ; IC1_1.9@81.665,89.086 80.69,88.111 80.202,88.111 79.76,87.669 IC1_1.4@79.76,86.661